# KiCad board Marble_Tiny.kicad_pcb (continued)
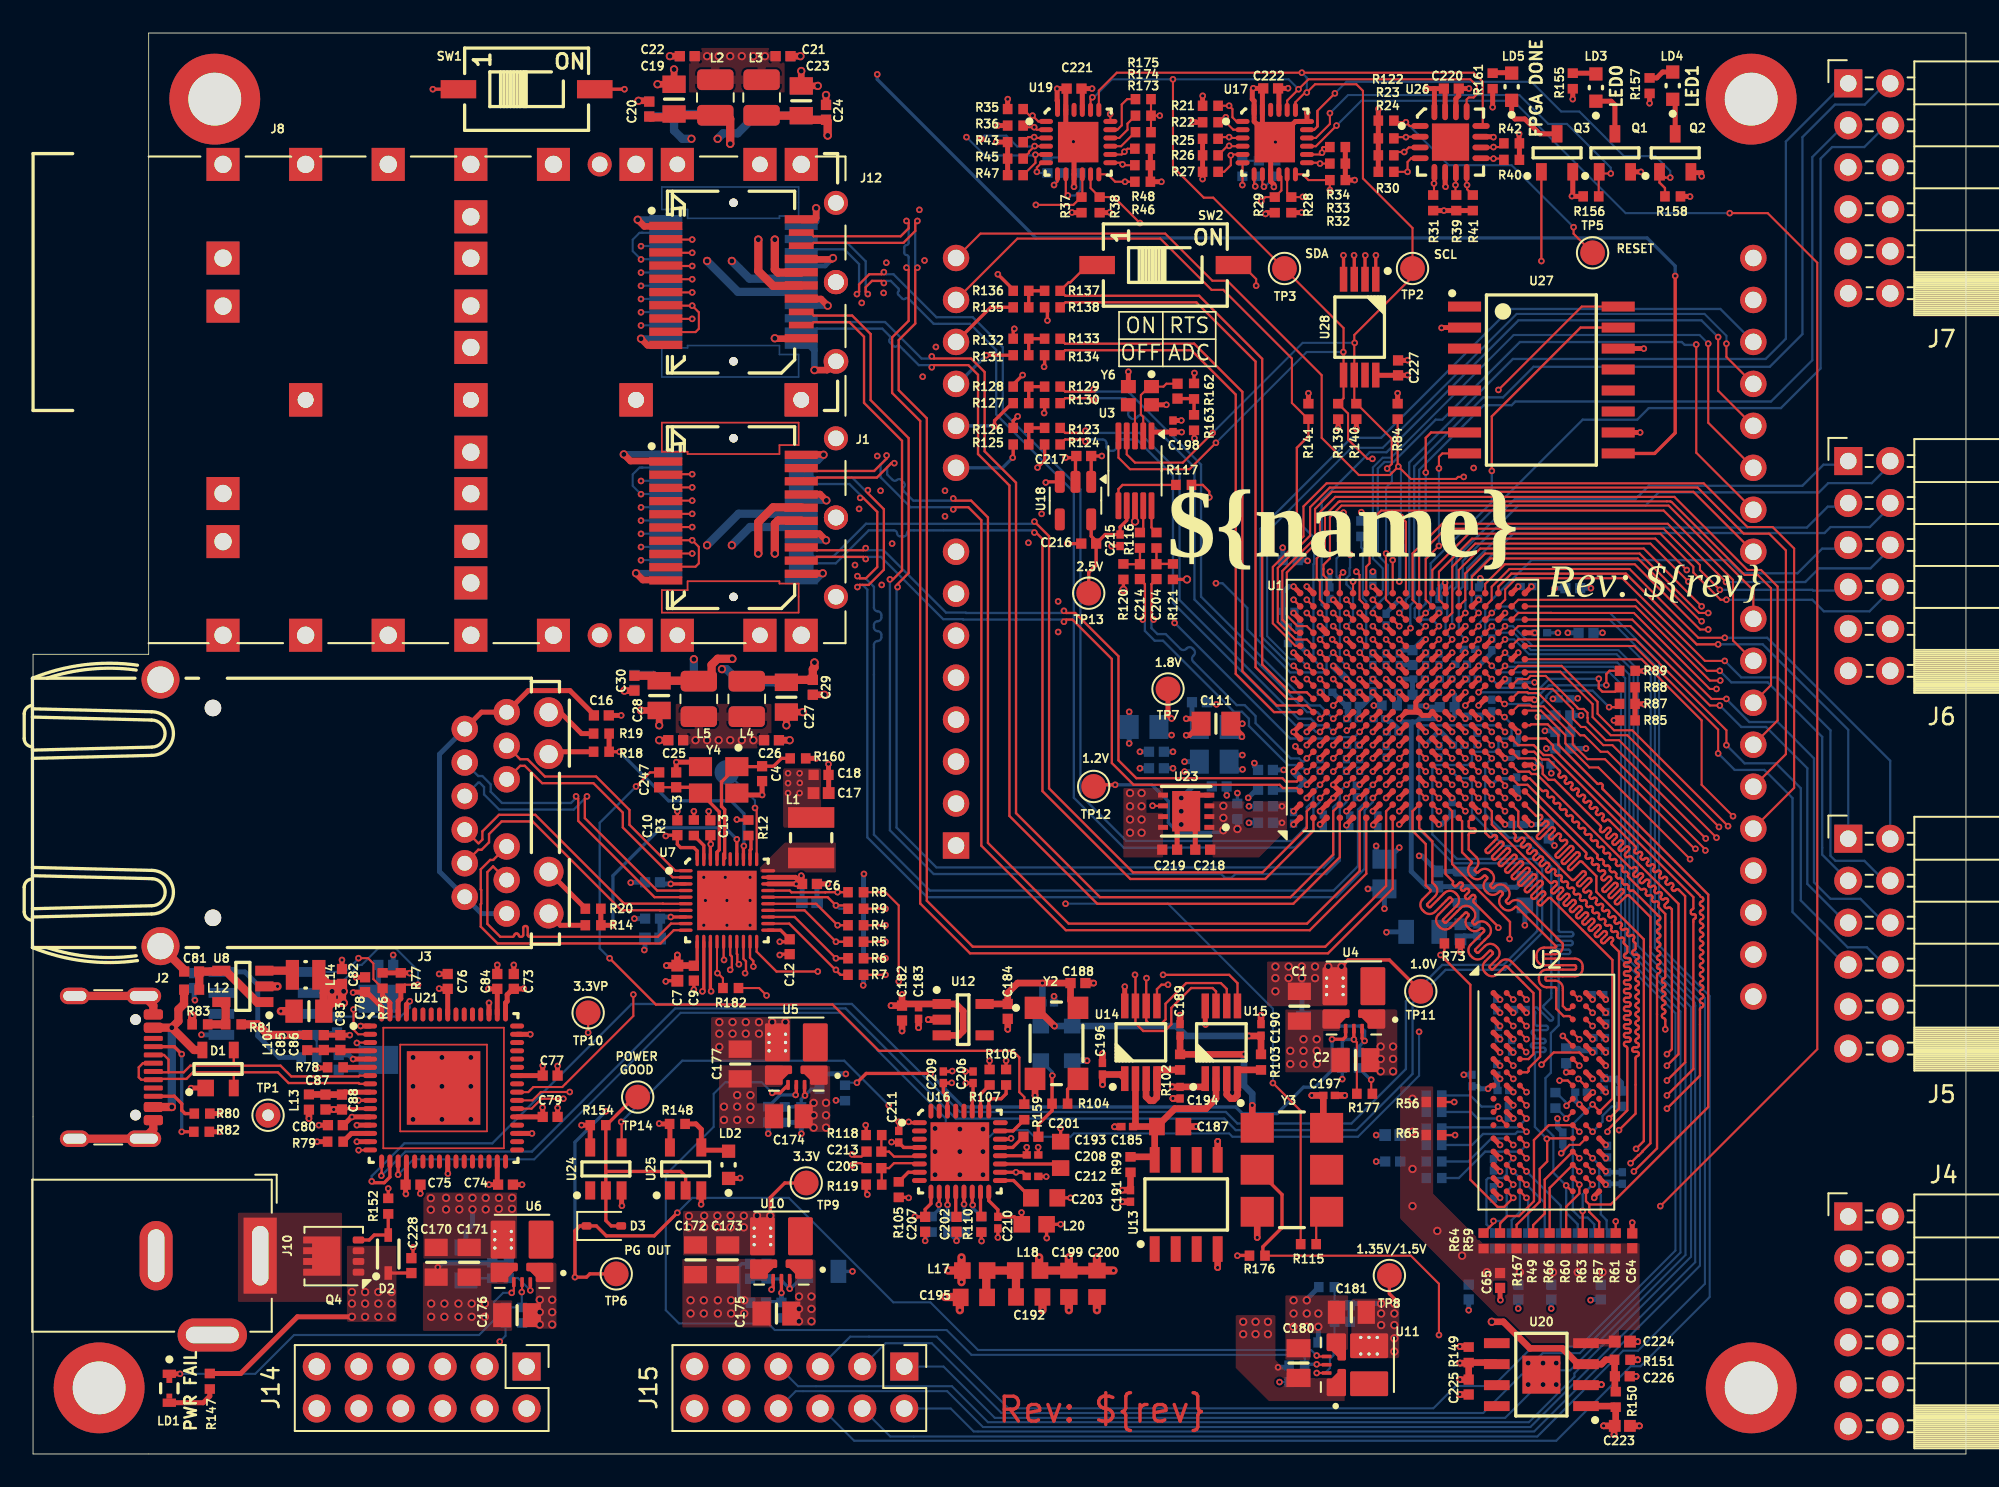
[diagram p0: board, top side]
## Routing (per net, layer and track width the routed paths; a pad name or vN(x,y) marks a point on that pad's centre or on a via; arc(x,y) is an arc through that point) (continued)
MGT_TX2_N: length 65.6
  Top w0.14: U1.D1 79.1,36.12 76.28,33.3 64.42,33.3 59.1,38.62 59.1,58.62 57.2,60.52 57.2,65.32 56.62,65.9 54.53,65.9 v1(54.4,65.77)
  Bottom w0.14: 46.5,67.91 47.25,67.91 47.45,68.11 51.41,68.11 51.86,67.66 arc(51.9,67.57) 51.86,67.47 arc(51.82,67.38) 51.86,67.28 52.09,67.05 arc(52.19,67.01) 52.28,67.05 arc(52.38,67.09) 52.47,67.05 53.62,65.9 54.27,65.9 v1(54.4,65.77)
MGT_TX2_P: length 65.6
  Top w0.14: v1(54.4,66.43) 54.53,66.3 56.78,66.3 57.6,65.48 57.6,60.68 59.5,58.78 59.5,38.78 64.58,33.7 76.12,33.7 78.7,36.28 78.7,38.9 U1.D2
  Bottom w0.14: v1(54.4,66.43) 54.27,66.3 53.78,66.3 51.57,68.51 47.45,68.51 47.25,68.71 46.5,68.71
MGT_TX3_N: length 52
  Top w0.14: v1(60.61,55.77) 60.71,55.77 61.1,55.38 61.1,40.12 66.42,34.8 74.58,34.8 77.5,37.72 U1.B1
  Bottom w0.14: v1(60.61,55.77) 60.48,55.9 53.08,55.9 arc(52.95,55.85) 52.9,55.72 arc(52.85,55.59) 52.72,55.54 52.48,55.54 arc(52.35,55.59) 52.3,55.72 arc(52.25,55.85) 52.12,55.9 50.58,55.9 48.59,53.9 47.25,53.9 47.05,53.7 46.5,53.7
MGT_TX3_P: length 52
  Top w0.14: U1.B2 77.1,38.9 77.1,37.88 74.42,35.2 66.58,35.2 61.5,40.28 61.5,55.54 v1(60.61,56.43)
  Bottom w0.14: 46.5,54.5 47.05,54.5 47.25,54.3 48.42,54.3 50.42,56.3 60.48,56.3 v1(60.61,56.43)
PHY_RSTn: length 50.4
  Top w0.2: v1(40.52,28) 40.6,28.08 U7.12
  Top w0.3: U1.A13 v1(76.3,48.5)
  In5.Cu w0.127: v1(40.52,28) 40.52,28.03 41.19,28.7 48.55,28.7 49.45,29.6 55.9,29.6 62.8,36.5 62.8,40.8 68.3,46.3 70.5,46.3 72.4,48.2 73.5,48.2 73.8,48.5 v1(76.3,48.5)
PMOD1_0: length 64.9
  Top w0.127: U1.M16 85.91,50.91 85.91,53.71 87.3,55.1 97.9,55.1 v1(100.2,52.8)
  In2.Cu w0.14: v1(100.2,52.8) 101.2,52.8 101.57,53.17 102.73,53.17 102.8,53.1 105,53.1 108.1,50 108.1,17.8 109.88,16.02 J4.1
PMOD1_1: length 65.4
  Top w0.127: U1.N17 86.69,51.69 86.69,53.29 87.9,54.5 97.25,54.5 100.84,50.91 100.86,50.91 100.86,50.9 v1(101.4,50.9)
  In2.Cu w0.14: v1(101.4,50.9) 102.8,50.9 103.44,51.54 105.16,51.54 107.4,49.3 107.4,12.8 108.36,11.83 J4.2
PMOD1_2: length 63.4
  Top w0.127: v1(101.4,49.9) 100.9,49.9 96.95,53.85 89.09,53.85 87.9,52.66 U1.R18
  In2.Cu w0.14: 109.88,9.29 108.67,9.29 106.6,11.37 106.6,48.7 106.2,49.1 103.3,49.1 102.5,49.9 v1(101.4,49.9)
PMOD1_3: length 60.3
  Top w0.127: v1(101.9,46.3) 101.5,46.3 96.9,50.9 91.9,50.9 91.89,50.91 89.91,50.91 U1.U16
  In2.Cu w0.14: J4.4 108.14,6.75 105.8,9.1 105.8,45.5 104.84,46.46 103.16,46.46 103,46.3 v1(101.9,46.3)
PMOD1_4: length 66.2
  Top w0.127: U1.M17 85.1,51.7 85.1,52.56 85.08,52.58 85.08,52.9 85.1,52.92 85.1,53.4 87.1,55.4 98.2,55.4 v1(100.1,53.5)
  In2.Cu w0.14: J4.7 108.5,18.29 108.5,50.3 105.3,53.5 v1(100.1,53.5)
PMOD1_5: length 67.3
  Top w0.127: U1.N18 86.3,53.5 87.6,54.8 97.5,54.8 v1(101,51.3)
  In2.Cu w0.14: v1(101,51.3) 102.7,51.3 103.3,51.9 105.4,51.9 107.7,49.6 107.7,13.9 108.5,13.1 111.15,13.1 J4.8
PMOD1_6: length 66.9
  Top w0.127: U1.P18 87.1,53.1 88.2,54.2 97.14,54.2 100.94,50.4 v1(101,50.4)
  In2.Cu w0.14: 112.41,9.29 111.11,10.6 108.5,10.6 107,12.1 107,48.8 106.3,49.5 103.4,49.5 102.5,50.4 v1(101,50.4)
PMOD1_7: length 61.4
  Top w0.127: U1.V17 97,51.3 101.49,46.81 v1(102.13,46.81)
  In2.Cu w0.14: v1(102.13,46.81) 105.19,46.81 106.2,45.8 106.2,10.2 108.3,8.1 111.07,8.1 J4.10
PMOD2_0: length 32.8
  Top w0.14: U1.T18 88.7,52.5 89.48,53.28 96.42,53.28 100.7,49 v1(102,49)
  Bottom w0.14: v1(102,49) 102,49 104.7,49 109.88,43.82 109.88,36.87
PMOD2_1: length 31.8
  Top w0.127: U1.U17 89.9,51.7 97.02,51.7 101.32,47.4 v1(102.1,47.4)
  Bottom w0.14: v1(102.1,47.4) 102.8,46.7 105,46.7 108.3,43.4 108.3,36.27 J5.2
PMOD2_2: length 32.4
  Top w0.127: v1(102.1,45.3) 101.5,45.3 96.69,50.11 89.91,50.11 U1.U15
  Bottom w0.14: 109.88,31.79 109.88,32.02 107.4,34.5 107.4,41.5 104.9,44 103.4,44 v1(102.1,45.3)
PMOD2_3: length 32.7
  Top w0.127: U1.V14 96.94,48.9 102,43.84 v1(102,42.4)
  Bottom w0.14: 109.88,29.25 109.52,29.61 109.52,29.78 106.5,32.8 106.5,39.7 104.8,41.4 103,41.4 v1(102,42.4)
PMOD2_4: length 35.8
  Top w0.127: v1(102.4,49.4) 100.8,49.4 96.64,53.56 89.37,53.56 88.29,52.48 88.29,51.69 U1.R17
  Bottom w0.14: v1(102.4,49.4) 104.97,49.4 112.41,41.95 112.41,36.87
PMOD2_5: length 37
  Top w0.127: U1.T17 89.11,51.71 89.11,52.33 89.78,53 96.2,53 101.2,48 v1(102.4,48)
  Bottom w0.14: v1(102.4,48) 103.4,47 105.6,47 108.8,43.8 108.8,36.2 109.1,35.9 110.85,35.9 112.41,34.33
PMOD2_6: length 34.3
  Top w0.127: v1(102.5,45.7) 101.6,45.7 96.8,50.5 U1.V16
  Bottom w0.14: 112.41,31.79 110.61,33.6 108.8,33.6 107.8,34.6 107.8,42.1 105.6,44.3 103.88,44.3 102.5,45.68 v1(102.5,45.7)
PMOD2_7: length 35.9
  Top w0.127: U1.U14 89.9,49.3 97,49.3 102.5,43.8 v1(102.5,42.9)
  Bottom w0.14: v1(102.5,42.9) 103.6,41.8 105.5,41.8 107,40.3 107,33.5 109.84,30.66 111.01,30.66 112.41,29.25
PMOD3_0: length 30.9
  Top w0.14: U1.M15 v1(85.9,50.1)
  Bottom w0.14: 109.88,59.87 108.38,59.87 107.1,58.6 97.8,58.6 97,57.8 89.7,57.8 86.17,54.27 86.17,52.49 85.9,52.22 v1(85.9,50.1)
PMOD3_1: length 27.9
  Top w0.14: U1.N16 v1(86.7,50.9)
  Bottom w0.14: v1(86.7,50.9) 86.7,52.26 86.8,52.37 86.8,53.6 89.27,56.07 107.37,56.07 108.64,57.33 109.88,57.33
PMOD3_2: length 26
  Top w0.14: U1.P15 v1(87.5,50.1)
  Bottom w0.14: 109.88,54.79 108.3,54.79 106.8,53.3 103.4,53.3 102.6,54.1 90.7,54.1 87.9,51.3 87.9,50.64 87.5,50.24 v1(87.5,50.1)
PMOD3_3: length 30.7
  Top w0.127: v1(102.1,52.3) 100.9,53.5 100.9,53.8 98.7,56 85.5,56 83.9,54.4 U1.K18
  Bottom w0.14: 109.88,52.25 107.75,52.25 107.7,52.3 v1(102.1,52.3)
PMOD3_4: length 33.9
  Top w0.14: U1.N14 v1(86.7,49.3)
  Bottom w0.14: v1(86.7,49.3) 86.3,49.7 86.3,52.24 86.54,52.48 86.54,54.04 89.9,57.4 97.6,57.4 98.4,58.2 108.1,58.2 108.66,58.76 111.3,58.76 112.41,59.87
PMOD3_5: length 30.1
  Top w0.14: U1.P16 v1(87.5,50.9)
  Bottom w0.14: v1(87.5,50.9) 87.07,51.33 87.07,53.17 89.64,55.74 108.44,55.74 108.8,56.1 111.18,56.1 112.41,57.33
PMOD3_6: length 35.3
  Top w0.127: v1(102.47,52.77) 98.95,56.3 85.3,56.3 83.5,54.5 83.5,51.7 U1.K17
  Bottom w0.14: v1(102.47,52.77) 107.27,52.77 108.1,53.6 111.22,53.6 112.41,54.79
PMOD3_7: length 32.7
  Top w0.127: v1(102.5,51.7) 102.15,51.7 100.5,53.35 100.5,53.7 98.5,55.7 86.9,55.7 84.7,53.5 U1.L18
  Bottom w0.14: 112.41,52.25 111.16,51 108.4,51 107.7,51.7 v1(102.5,51.7)
PMOD4_0: length 53.1
  Top w0.14: U1.J16 v1(82.7,50.9)
  Bottom w0.14: 109.88,83.21 106.1,79.44 106.1,67.5 104.87,66.27 89.57,66.27 83.3,60 83.3,51.9 83.1,51.7 83.1,51.3 v1(82.7,50.9)
PMOD4_1: length 52.4
  Top w0.14: U1.K15 v1(84.3,50.1)
  Bottom w0.14: v1(84.3,50.1) 84.16,50.1 83.63,50.63 83.63,51.18 83.91,51.45 83.91,59.56 87.82,63.47 89.5,63.47 89.72,63.7 105.2,63.7 107.7,66.2 107.7,78.49 109.88,80.67
PMOD4_2: length 47.7
  Top w0.14: U1.F15 v1(80.3,50.1)
  In5.Cu w0.14: 109.88,78.13 109.47,77.73 98.01,77.73 97.72,77.44 97.72,77.43 97.49,77.2 97.48,77.2 80.68,60.39 80.68,60.07 80.86,59.88 80.86,54.76 80.7,54.6 80.7,50.5 v1(80.3,50.1)
PMOD4_3: length 48.2
  Top w0.14: U1.J14 v1(82.7,49.3)
  In5.Cu w0.14: v1(82.7,49.3) 83.26,49.3 83.9,49.94 83.9,60.8 92.5,69.4 102.4,69.4 102.95,68.85 104.75,68.85 105.13,69.23 105.13,73.93 106.43,75.23 109.51,75.23 109.88,75.59
PMOD4_4: length 55.8
  Top w0.14: v1(83.38,49.98) 83.38,49.98 U1.J15
  Bottom w0.14: v1(83.38,49.98) 83.38,50.22 83.36,50.23 83.36,51.36 83.6,51.6 83.6,59.77 87.78,63.95 88.97,63.95 90.83,65.8 105.12,65.8 107.1,67.77 107.1,79.7 109.07,81.67 110.87,81.67 112.41,83.21
PMOD4_5: length 51
  Top w0.14: U1.M14 v1(85.9,49.3)
  Bottom w0.14: 112.41,80.67 110.84,79.1 108.9,79.1 108.2,78.4 108.2,65.7 105.8,63.3 97.8,63.3 97.1,62.6 93.8,62.6 85.9,54.7 85.9,52.6 85.6,52.3 85.6,50.7 85.5,50.6 85.5,49.7 v1(85.9,49.3)
PMOD4_6: length 49.3
  Top w0.14: U1.G15 v1(81.1,50.1)
  In5.Cu w0.14: v1(81.1,50.1) 81.5,50.5 81.5,60.5 97.65,76.65 110.94,76.65 112.41,78.13
PMOD4_7: length 47.5
  Top w0.14: U1.L14 v1(85.1,49.3)
  In5.Cu w0.14: v1(85.1,49.3) 85.5,49.7 85.5,52.1 86.1,52.7 86.1,60.9 94.2,69 102.1,69 102.6,68.5 105,68.5 105.5,69 105.5,72.6 107.1,74.2 111.03,74.2 112.41,75.59
PMOD5_0: length 112.5
  Top w0.127: v1(101.23,36.53) 101.23,36.58 95.31,42.5 94.89,42.5 93.89,43.49 93.65,43.49 91.09,46.05 90.5,46.05 90.46,46.1 89.9,46.1 U1.U10
  In2.Cu w0.127: J14.1 31.49,5.29 32.7,6.5 65.5,6.5 68.8,9.8 95.5,9.8 100.82,15.12 100.82,35.02 101.23,35.43 v1(101.23,36.53)
PMOD5_1: length 113.9
  Top w0.127: v1(100.63,36.63) 100.57,36.63 95.15,42.05 94.1,42.05 93.2,42.95 93.2,43.49 91.44,45.25 90.71,45.25 90.66,45.3 89.9,45.3 U1.U9
  In2.Cu w0.127: J14.2 28.95,6.9 65.28,6.9 68.47,10.1 95.25,10.1 100.5,15.35 100.5,35.4 100.7,35.6 100.7,36.55 v1(100.63,36.63)
PMOD5_2: length 114.2
  Top w0.127: v1(100.3,36) 94.75,41.55 94.21,41.55 92.75,43.01 92.75,43.51 91.27,44.99 90.39,44.99 U1.V9
  In2.Cu w0.127: J14.3 26.8,7.3 65,7.3 68.13,10.43 95.16,10.43 100.19,15.46 100.19,35.89 v1(100.3,36)
PMOD5_3: length 123.8
  Top w0.127: U1.V11 90.42,46.5 90.61,46.31 91.97,46.31 93.21,45.07 93.21,44.49 93.7,44 93.95,44 95.05,42.9 95.6,42.9 v1(101.25,37.25)
  In2.Cu w0.127: v1(101.25,37.25) 101.62,36.88 101.62,35.32 101.15,34.85 101.15,14.95 93.9,7.7 90.1,7.7 87.9,5.5 87.9,4.02 86.47,2.6 57.3,2.6 55.7,4.2 23.34,4.2 J14.4
PMOD5_4: length 118.7
  Top w0.127: U1.V12 90.34,47.34 92.44,47.34 94.4,45.39 94.4,44.6 95.5,43.5 96.5,43.5 v1(102.05,37.95)
  In2.Cu w0.127: v1(102.05,37.95) 102.29,37.71 102.29,34.49 101.76,33.96 101.76,14.51 93.95,6.7 90.4,6.7 88.79,5.09 88.79,3.54 86.65,1.4 31.23,1.4 J14.7
PMOD5_5: length 123.6
  Top w0.127: v1(102.6,38) 96.8,43.8 95.7,43.8 94.7,44.8 94.7,45.52 92.53,47.7 89.9,47.7 U1.U12
  In2.Cu w0.127: v1(102.6,38) 102.6,34 102.08,33.48 102.08,14.28 94,6.2 90.58,6.2 89.25,4.87 89.25,3.17 87.08,1 29.2,1 27.45,2.75 J14.8
PMOD5_6: length 128.8
  Top w0.127: U1.V13 97.37,48.1 97.92,47.55 97.92,47.48 101,44.4 101,40.5 v1(102.9,38.6)
  In2.Cu w0.127: v1(102.9,38.6) 102.99,38.51 102.99,33.79 102.4,33.2 102.4,14.1 93.25,4.95 90.05,4.95 89.67,4.57 89.67,2.75 87.53,0.6 26.95,0.6 J14.9
PMOD5_7: length 126.2
  Top w0.127: v1(101.9,37.3) 96,43.2 95.2,43.2 94.1,44.3 94.1,44.55 94.09,44.56 94.09,44.86 93.86,45.09 93.56,45.09 93.46,45.19 93.46,45.2 92.25,46.41 92.09,46.56 91.56,47.09 90.64,47.09 90.45,46.9 89.9,46.9 U1.U11
  In2.Cu w0.127: v1(101.9,37.3) 101.9,34.7 101.43,34.23 101.43,14.73 93.9,7.2 90.2,7.2 88.36,5.36 88.36,3.79 86.78,2.2 56.7,2.2 55.1,3.8 23.3,3.8 J14.10
PMOD6_0: length 98
  Top w0.14: U1.T13 v1(89.1,48.5)
  Bottom w0.127: v1(89.1,48.5) 89.7,47.9 95.9,47.9 96.63,47.17 96.63,30.37 100.02,26.98 100.02,12.04 93.04,5.06 91.63,5.06 90.96,4.38 90.96,4.03 89.11,2.19 58.21,2.19 55.11,5.29 52.81,5.29
PMOD6_1: length 100.4
  Top w0.14: U1.T12 v1(89.1,47.7)
  Bottom w0.127: J15.2 51.61,6.7 54.4,6.7 58.62,2.48 87.78,2.48 90.1,4.8 90.42,4.8 90.96,5.33 90.96,5.68 91.38,6.1 93.63,6.1 99.72,12.19 99.72,26.78 96.37,30.13 96.37,46.95 95.68,47.65 89.15,47.65 v1(89.1,47.7)
PMOD6_2: length 102.8
  Top w0.14: U1.R13 v1(88.3,47.7)
  Bottom w0.127: v1(88.3,47.7) 88.69,47.31 95.42,47.31 96.12,46.61 96.12,29.98 99.41,26.69 99.41,12.31 93.6,6.5 90.77,6.5 88.38,4.11 86.11,4.11 84.76,2.76 59.04,2.76 54.7,7.1 49.47,7.1 J15.3
PMOD6_3: length 106.9
  Top w0.14: U1.T14 v1(89.1,49.3)
  Bottom w0.127: v1(89.1,49.3) 89.65,49.3 90.55,48.4 95.86,48.4 96.88,47.38 96.88,30.52 100.36,27.04 100.36,11.94 93.3,4.88 93.3,4.68 90.55,1.92 57.8,1.92 55.62,4.1 46.3,4.1 J15.4
PMOD6_4: length 100.7
  Top w0.14: U1.T15 v1(89.1,50.1)
  Bottom w0.127: J15.7 55.55,2.75 56.94,1.36 90.86,1.36 100.9,11.4 100.9,27.4 97.92,30.38 97.92,47.23 97.92,47.55 96.56,48.91 90.76,48.91 89.57,50.1 v1(89.1,50.1)
PMOD6_5: length 107.4
  Top w0.14: U1.P14 v1(87.5,49.3)
  Bottom w0.127: v1(87.5,49.3) 87.9,49.7 87.9,50.25 88.15,50.5 95.42,50.5 98.17,47.76 98.17,45.64 98.17,30.63 101.2,27.6 101.2,10.3 97.15,6.25 96.25,6.25 91.05,1.05 51.89,1.05 J15.8
PMOD6_6: length 110.2
  Top w0.14: U1.R16 v1(88.3,50.9)
  Bottom w0.127: v1(88.3,50.9) 88.69,51.29 89.51,51.29 89.9,50.9 95.45,50.9 98.42,47.93 98.42,47.02 98.42,30.78 101.49,27.71 101.49,9.5 97.3,5.31 96.71,5.31 92.2,0.8 49.7,0.8 47.75,2.75 J15.9
PMOD6_7: length 108.8
  Top w0.14: U1.R15 v1(88.3,50.1)
  Bottom w0.127: v1(88.3,50.1) 88.69,49.71 89.61,49.71 90.66,48.65 95.96,48.65 97.13,47.48 97.13,30.77 100.6,27.3 100.6,27.16 100.61,27.15 100.61,11.61 90.63,1.63 57.5,1.63 55.33,3.8 46.16,3.8 J15.10
REF_CLK0_N: length 17.5
  Top w0.14: v1(67.17,50.5) 67.3,50.63 67.3,52.65 C214.1 ; U1.B5 v1(77.1,41.3)
  Bottom w0.14: v1(67.17,50.5) 67.3,50.37 67.3,49.82 67.89,49.22 68.39,49.22 72.69,44.92 73.17,44.92 73.6,44.5 73.6,44.06 75.96,41.7 76.5,41.7 76.7,41.5 76.9,41.5 v1(77.1,41.3)
REF_CLK0_P: length 17.5
  Top w0.14: C204.1 67.7,52.65 67.7,50.63 v1(67.83,50.5) ; U1.B6 v1(77.1,42.1)
  Bottom w0.14: v1(77.1,42.1) 76.9,41.9 76.83,41.9 76.63,42.1 76.13,42.1 74,44.23 74,44.66 73.34,45.32 72.86,45.32 70.22,47.96 arc(70.15,48.13) 70.22,48.3 70.26,48.34 arc(70.33,48.51) 70.26,48.68 70.18,48.76 arc(70.01,48.83) 69.84,48.76 69.8,48.72 arc(69.63,48.65) 69.46,48.72 68.56,49.62 68.06,49.62 67.7,49.98 67.7,50.37 v1(67.83,50.5)
REG_1V0: length 8
  Top w0.2: U7.38 41,36.9 ; 41,36.9 C13.2 ; 41,36.9 41.02,36.9 v1(41.02,36.9) ; U7.21 45.25,31.7 C12.2 45.75,31.15 45.6,31 v1(45.2,31) ; U7.8 v1(38.6,32.5) ; U7.3 v1(38.6,34.5)
  Bottom w0.3: v1(38.6,32.5) 38.05,32.5 C15.2 37.95,31.21 C11.2 ; v1(38.6,34.5) 38.05,34.5 C14.2
  vias: v1(45.7,41.2) v1(45.7,40.6) v1(45.7,40) v1(46.4,41.2) v1(46.41,40.61) v1(46.4,40)
RGMII_RX_CLK: length 45.6
  Top w0.127: v1(52.4,28.6) 52.4,33.2 51.6,34 R8.1
  Top w0.14: U1.E13 v1(79.5,48.5)
  In5.Cu w0.14: v1(79.5,48.5) 79.1,48.1 78.53,48.1 78.3,47.86 78.3,47.54 78.06,47.3 73,47.3 71.2,45.5 69.3,45.5 68.52,44.72 68.52,44.61 63.6,39.69 63.6,35.6 56.6,28.6 v1(52.4,28.6)
RGMII_RX_DV: length 45.6
  Top w0.14: R9.1 v1(51.6,33) ; U1.D16 v1(78.7,50.9)
  In5.Cu w0.14: v1(78.7,50.9) 78.3,51.3 73.1,51.3 72.4,50.6 71.4,50.6 69.1,48.3 66.41,48.3 60.51,42.4 60.51,37.81 55.7,33 54.01,33 arc(53.93,33.03) 53.9,33.11 53.9,33.87 arc(53.87,33.95) 53.8,33.98 53.74,33.98 arc(53.67,33.95) 53.63,33.87 53.63,32.43 arc(53.6,32.35) 53.53,32.32 53.47,32.32 arc(53.4,32.35) 53.37,32.43 53.37,33.87 arc(53.34,33.95) 53.26,33.98 53.21,33.98 arc(53.13,33.95) 53.1,33.87 53.1,32.43 arc(53.07,32.35) 52.99,32.32 52.94,32.32 arc(52.87,32.35) 52.83,32.43 52.83,32.89 arc(52.8,32.97) 52.73,33 v1(51.6,33)
RGMII_RXD0: length 45.6
  Top w0.14: R4.1 v1(51.6,32) ; U1.B16 v1(77.1,50.9)
  In5.Cu w0.14: v1(51.6,32) 54.11,32 arc(54.19,31.97) 54.22,31.89 54.22,31.42 arc(54.25,31.34) 54.33,31.31 54.38,31.31 arc(54.46,31.34) 54.49,31.42 54.49,32.58 arc(54.52,32.66) 54.6,32.69 54.65,32.69 arc(54.72,32.66) 54.76,32.58 54.76,31.42 arc(54.79,31.34) 54.86,31.31 54.92,31.31 arc(54.99,31.34) 55.02,31.42 55.02,31.89 arc(55.05,31.97) 55.13,32 55.5,32 55.72,32.22 arc(55.79,32.25) 55.85,32.22 arc(55.92,32.2) 55.98,32.22 56.05,32.29 arc(56.07,32.36) 56.05,32.42 55.89,32.58 arc(55.86,32.65) 55.89,32.73 55.93,32.76 arc(56.01,32.8) 56.08,32.76 56.24,32.61 arc(56.3,32.58) 56.37,32.61 56.43,32.67 arc(56.45,32.73) 56.43,32.8 56.27,32.95 arc(56.24,33.03) 56.27,33.1 56.31,33.14 arc(56.38,33.17) 56.46,33.14 56.61,32.99 arc(56.68,32.96) 56.74,32.99 56.8,33.04 arc(56.83,33.11) 56.8,33.17 56.65,33.33 arc(56.62,33.41) 56.65,33.48 56.68,33.52 arc(56.76,33.55) 56.84,33.52 56.99,33.36 arc(57.06,33.34) 57.12,33.36 57.18,33.42 arc(57.21,33.49) 57.18,33.55 57.02,33.71 arc(56.99,33.78) 57.02,33.86 57.06,33.9 arc(57.14,33.93) 57.21,33.9 57.37,33.74 arc(57.43,33.71) 57.5,33.74 57.56,33.8 arc(57.59,33.86) 57.56,33.93 57.4,34.09 arc(57.37,34.16) 57.4,34.24 57.44,34.27 arc(57.52,34.31) 57.59,34.27 57.75,34.12 arc(57.81,34.09) 57.88,34.12 57.94,34.18 arc(57.96,34.24) 57.94,34.31 57.78,34.46 arc(57.75,34.54) 57.78,34.61 57.82,34.65 arc(57.89,34.68) 57.97,34.65 57.98,34.64 arc(58.06,34.6) 58.14,34.64 61,37.5 61,42.1 66.8,47.9 69.5,47.9 71.7,50.1 72.47,50.1 72.87,50.5 76.7,50.5 v1(77.1,50.9)
RGMII_RXD1: length 45.6
  Top w0.14: R5.1 v1(51.6,31) ; U1.C16 v1(77.9,50.9)
  In5.Cu w0.14: v1(77.9,50.9) 77.07,50.07 73.07,50.07 72.6,49.6 71.8,49.6 69.8,47.6 67.1,47.6 61.4,41.9 61.4,37.2 57.65,33.45 arc(57.62,33.38) 57.65,33.3 57.67,33.28 arc(57.7,33.21) 57.67,33.13 57.63,33.09 arc(57.56,33.06) 57.48,33.09 57.46,33.11 arc(57.39,33.14) 57.31,33.11 57.27,33.07 arc(57.24,33) 57.27,32.92 57.29,32.9 arc(57.33,32.83) 57.29,32.75 57.26,32.71 arc(57.18,32.68) 57.11,32.71 57.09,32.73 arc(57.01,32.77) 56.93,32.73 56.9,32.7 arc(56.87,32.62) 56.9,32.55 56.92,32.53 arc(56.95,32.45) 56.92,32.37 56.88,32.34 arc(56.8,32.31) 56.73,32.34 56.71,32.36 arc(56.63,32.39) 56.56,32.36 56.52,32.32 arc(56.49,32.24) 56.52,32.17 56.54,32.15 arc(56.57,32.07) 56.54,32 56.5,31.96 arc(56.43,31.93) 56.35,31.96 56.33,31.98 arc(56.25,32.01) 56.18,31.98 56.14,31.94 arc(56.11,31.87) 56.14,31.79 56.16,31.77 arc(56.19,31.69) 56.16,31.62 56.12,31.58 arc(56.05,31.55) 55.97,31.58 55.81,31.74 arc(55.74,31.77) 55.68,31.74 55.62,31.69 arc(55.59,31.62) 55.62,31.56 55.78,31.39 arc(55.82,31.32) 55.78,31.24 55.75,31.2 arc(55.67,31.17) 55.6,31.2 55.58,31.22 arc(55.5,31.26) 55.42,31.22 55.2,31 54.97,31 arc(54.9,30.97) 54.88,30.91 arc(54.85,30.84) 54.78,30.81 54.7,30.81 arc(54.64,30.84) 54.61,30.91 arc(54.58,30.97) 54.52,31 54.44,31 arc(54.38,30.97) 54.35,30.91 arc(54.32,30.84) 54.25,30.81 54.18,30.81 arc(54.11,30.84) 54.08,30.91 54.08,31.1 arc(54.05,31.16) 53.99,31.19 53.91,31.19 arc(53.84,31.16) 53.82,31.1 53.82,30.9 arc(53.79,30.84) 53.72,30.81 53.64,30.81 arc(53.58,30.84) 53.55,30.9 53.55,31.59 arc(53.52,31.66) 53.44,31.69 53.39,31.69 arc(53.31,31.66) 53.28,31.59 53.28,30.9 arc(53.25,30.84) 53.19,30.81 53.11,30.81 arc(53.04,30.84) 53.01,30.9 53.01,31.59 arc(52.98,31.66) 52.91,31.69 52.85,31.69 arc(52.78,31.66) 52.75,31.59 52.75,30.91 arc(52.72,30.84) 52.65,30.81 52.57,30.81 arc(52.5,30.84) 52.47,30.91 arc(52.45,30.97) 52.38,31 v1(51.6,31)
RGMII_RXD2: length 45.6
  Top w0.14: R6.1 v1(51.6,30) ; U1.D14 78.89,49.11 78.83,49.11 v1(78.64,49.3)
  In5.Cu w0.14: v1(51.6,30) 51.96,30 arc(52.03,30.03) 52.06,30.1 arc(52.08,30.16) 52.15,30.19 52.23,30.19 arc(52.29,30.16) 52.32,30.1 arc(52.35,30.03) 52.42,30 52.49,30 arc(52.56,30.03) 52.59,30.1 arc(52.62,30.16) 52.69,30.19 52.76,30.19 arc(52.83,30.16) 52.86,30.1 arc(52.88,30.03) 52.95,30 53.03,30 arc(53.1,30.03) 53.12,30.1 arc(53.15,30.16) 53.22,30.19 53.29,30.19 arc(53.36,30.16) 53.39,30.1 arc(53.42,30.03) 53.49,30 53.56,30 arc(53.63,30.03) 53.66,30.1 arc(53.69,30.16) 53.75,30.19 53.83,30.19 arc(53.9,30.16) 53.92,30.1 arc(53.95,30.03) 54.02,30 54.09,30 arc(54.16,30.03) 54.19,30.1 arc(54.22,30.16) 54.29,30.19 54.36,30.19 arc(54.43,30.16) 54.46,30.1 arc(54.49,30.03) 54.55,30 54.63,30 arc(54.7,30.03) 54.73,30.1 arc(54.75,30.16) 54.82,30.19 54.9,30.19 arc(54.96,30.16) 54.99,30.1 arc(55.02,30.03) 55.09,30 55.16,30 arc(55.23,30.03) 55.26,30.1 arc(55.29,30.16) 55.36,30.19 55.43,30.19 arc(55.5,30.16) 55.53,30.1 arc(55.55,30.03) 55.62,30 55.7,30 56.15,30.45 arc(56.18,30.52) 56.15,30.59 arc(56.12,30.65) 56.15,30.72 56.2,30.78 arc(56.27,30.8) 56.34,30.78 56.46,30.66 arc(56.51,30.64) 56.56,30.66 56.65,30.74 arc(56.67,30.79) 56.65,30.85 56.53,30.97 arc(56.5,31.03) 56.53,31.1 56.58,31.15 arc(56.65,31.18) 56.72,31.15 56.84,31.03 arc(56.89,31.01) 56.94,31.03 57.03,31.12 arc(57.05,31.17) 57.03,31.22 56.91,31.34 arc(56.88,31.41) 56.91,31.48 56.96,31.53 arc(57.03,31.56) 57.09,31.53 57.21,31.41 arc(57.27,31.39) 57.32,31.41 57.4,31.5 arc(57.42,31.55) 57.4,31.6 57.28,31.72 arc(57.25,31.79) 57.28,31.86 57.33,31.91 arc(57.4,31.94) 57.47,31.91 57.59,31.79 arc(57.64,31.77) 57.69,31.79 57.78,31.88 arc(57.8,31.93) 57.78,31.98 57.66,32.1 arc(57.63,32.17) 57.66,32.24 57.71,32.29 arc(57.78,32.32) 57.85,32.29 57.97,32.17 arc(58.02,32.15) 58.07,32.17 58.16,32.25 arc(58.18,32.3) 58.16,32.36 58.04,32.48 arc(58.01,32.54) 58.04,32.61 58.09,32.66 arc(58.16,32.69) 58.23,32.66 58.35,32.54 arc(58.4,32.52) 58.45,32.54 58.54,32.63 arc(58.56,32.68) 58.54,32.73 58.42,32.85 arc(58.39,32.92) 58.42,32.99 58.47,33.04 arc(58.54,33.07) 58.6,33.04 58.72,32.92 arc(58.78,32.9) 58.83,32.92 58.91,33.01 arc(58.93,33.06) 58.91,33.11 58.79,33.23 arc(58.76,33.3) 58.79,33.37 58.84,33.42 arc(58.91,33.45) 58.98,33.42 59.1,33.3 arc(59.15,33.28) 59.2,33.3 59.29,33.39 arc(59.31,33.44) 59.29,33.49 arc(59.27,33.54) 59.29,33.59 62.3,36.6 62.3,41.5 67.6,46.8 70.3,46.8 72.1,48.6 73.3,48.6 73.6,48.9 78.24,48.9 v1(78.64,49.3)
RGMII_RXD3: length 45.6
  Top w0.14: R7.1 v1(51.6,29) ; U1.C13 v1(77.9,48.5)
  In5.Cu w0.14: v1(77.9,48.5) 77.5,48.1 74.1,48.1 73.7,47.7 72.6,47.7 70.8,45.9 68.6,45.9 63.2,40.5 63.2,36.1 57.8,30.7 57.76,30.66 arc(57.73,30.59) 57.76,30.51 57.85,30.42 arc(57.89,30.34) 57.85,30.27 57.82,30.23 arc(57.74,30.2) 57.67,30.23 57.36,30.53 arc(57.29,30.56) 57.21,30.53 57.17,30.49 arc(57.14,30.42) 57.17,30.34 57.48,30.04 arc(57.51,29.96) 57.48,29.89 57.44,29.85 arc(57.36,29.82) 57.29,29.85 56.99,30.15 arc(56.91,30.18) 56.84,30.15 56.8,30.12 arc(56.77,30.04) 56.8,29.96 57.1,29.66 arc(57.13,29.59) 57.1,29.51 57.06,29.47 arc(56.99,29.44) 56.91,29.47 56.61,29.78 arc(56.53,29.81) 56.46,29.78 56.42,29.74 arc(56.39,29.66) 56.42,29.59 56.72,29.28 arc(56.75,29.21) 56.72,29.13 56.68,29.1 arc(56.61,29.06) 56.53,29.1 56.23,29.4 arc(56.16,29.43) 56.08,29.4 56.04,29.36 arc(56.01,29.28) 56.04,29.21 56.1,29.15 arc(56.13,29.08) 56.1,29 55.61,29 arc(55.53,29.03) 55.5,29.11 55.5,29.19 arc(55.47,29.26) 55.39,29.3 55.34,29.3 arc(55.26,29.26) 55.23,29.19 55.23,29.11 arc(55.2,29.03) 55.12,29 55.07,29 arc(55,29.03) 54.96,29.11 54.96,29.19 arc(54.93,29.26) 54.86,29.3 54.8,29.3 arc(54.73,29.26) 54.7,29.19 54.7,29.11 arc(54.67,29.03) 54.59,29 54.54,29 arc(54.46,29.03) 54.43,29.11 54.43,29.19 arc(54.4,29.26) 54.32,29.3 54.27,29.3 arc(54.19,29.26) 54.16,29.19 54.16,29.11 arc(54.13,29.03) 54.06,29 54,29 arc(53.93,29.03) 53.9,29.11 53.9,29.19 arc(53.87,29.26) 53.79,29.3 53.74,29.3 arc(53.66,29.26) 53.63,29.19 53.63,29.11 arc(53.6,29.03) 53.52,29 53.47,29 arc(53.39,29.03) 53.36,29.11 53.36,29.19 arc(53.33,29.26) 53.26,29.3 53.2,29.3 arc(53.13,29.26) 53.1,29.19 53.1,29.11 arc(53.06,29.03) 52.99,29 52.94,29 arc(52.86,29.03) 52.83,29.11 52.83,29.19 arc(52.8,29.26) 52.72,29.3 52.67,29.3 arc(52.59,29.26) 52.56,29.19 52.56,29.11 arc(52.53,29.03) 52.45,29 v1(51.6,29)
RGMII_TX_CLK: length 53.3
  Top w0.14: v1(47.5,29.2) 45,29.2 43.8,30.4 U7.20 ; U1.D15 v1(78.7,50.1)
  In5.Cu w0.14: v1(78.7,50.1) 78.3,49.7 76.5,49.7 76.5,49.7 73.5,49.7 72.9,49.1 71.9,49.1 70,47.2 67.4,47.2 61.9,41.7 61.9,36.9 55.5,30.5 51.02,30.5 arc(50.94,30.53) 50.91,30.61 50.91,31.27 arc(50.88,31.35) 50.8,31.38 50.75,31.38 arc(50.68,31.35) 50.64,31.27 50.64,30.13 arc(50.61,30.05) 50.54,30.02 50.48,30.02 arc(50.41,30.05) 50.38,30.13 50.38,31.27 arc(50.35,31.35) 50.27,31.38 50.22,31.38 arc(50.14,31.35) 50.11,31.27 50.11,30.13 arc(50.08,30.05) 50,30.02 49.95,30.02 arc(49.87,30.05) 49.84,30.13 49.84,30.39 arc(49.81,30.47) 49.74,30.5 48.3,30.5 47.5,29.7 v1(47.5,29.2)
RGMII_TX_EN: length 53.3
  Top w0.14: U7.19 43.4,30.03 43.6,29.83 v1(43.6,29.5) ; U1.A17 v1(76.3,51.7)
  In5.Cu w0.14: v1(43.6,29.5) 44.7,30.6 46.1,30.6 47,31.5 48.76,31.5 48.91,31.65 arc(48.99,31.68) 49.07,31.65 49.56,31.15 arc(49.64,31.12) 49.72,31.15 49.75,31.19 arc(49.78,31.27) 49.75,31.34 49.25,31.84 arc(49.22,31.92) 49.25,31.99 49.29,32.03 arc(49.37,32.06) 49.44,32.03 49.84,31.64 arc(49.91,31.61) 49.99,31.64 50.02,31.67 arc(50.06,31.75) 50.02,31.83 49.48,32.37 arc(49.45,32.45) 49.48,32.52 49.51,32.56 arc(49.59,32.59) 49.67,32.56 50.36,31.87 arc(50.43,31.84) 50.51,31.87 50.54,31.91 arc(50.58,31.99) 50.54,32.06 49.85,32.75 arc(49.82,32.83) 49.85,32.9 49.89,32.94 arc(49.97,32.97) 50.04,32.94 50.05,32.94 arc(50.12,32.9) 50.2,32.94 50.5,33.24 50.5,33.25 arc(50.58,33.28) 50.65,33.25 50.94,32.96 arc(51.01,32.93) 51.09,32.96 51.13,33 arc(51.16,33.08) 51.13,33.15 50.84,33.44 arc(50.81,33.51) 50.84,33.59 51.85,34.6 56.7,34.6 60.1,38 60.1,42.5 66.28,48.68 68.88,48.68 71.2,51 72.3,51 73,51.7 v1(76.3,51.7)
RGMII_TXD0: length 53.3
  Top w0.14: U7.18 43,29.97 43.16,29.82 43.16,29.15 v1(43.1,29.1) ; U1.B17 v1(77.1,51.7)
  In5.Cu w0.14: v1(43.1,29.1) 43.12,29.12 43.12,29.62 46,32.5 46.32,32.5 arc(46.39,32.53) 46.42,32.61 46.42,33.15 arc(46.46,33.22) 46.53,33.25 46.58,33.25 arc(46.66,33.22) 46.69,33.15 46.69,31.9 arc(46.72,31.83) 46.8,31.8 46.85,31.8 arc(46.93,31.83) 46.96,31.9 46.96,33.15 arc(46.99,33.22) 47.06,33.25 47.12,33.25 arc(47.19,33.22) 47.22,33.15 47.22,32.61 arc(47.26,32.53) 47.33,32.5 49,32.5 51.5,35 56.6,35 59.7,38.1 59.7,42.7 66.1,49.1 68.5,49.1 70.9,51.5 72.2,51.5 72.8,52.1 76.7,52.1 v1(77.1,51.7)
RGMII_TXD1: length 53.3
  Top w0.14: v1(42.73,29.64) 42.63,29.74 42.63,30.24 42.6,30.26 U7.17 ; U1.E16 v1(79.5,50.9)
  In5.Cu w0.14: v1(79.5,50.9) 79.1,51.3 79.1,51.86 78.23,52.74 78.22,52.74 78.06,52.9 73,52.9 72.1,52 70,52 67.6,49.6 66,49.6 59.3,42.9 59.3,38.3 56.4,35.4 51.15,35.4 49.79,34.04 arc(49.71,34.01) 49.64,34.04 49.41,34.26 arc(49.33,34.29) 49.26,34.26 49.22,34.22 arc(49.19,34.15) 49.22,34.07 49.45,33.85 arc(49.48,33.77) 49.45,33.7 49.35,33.6 46.4,33.6 42.73,29.93 v1(42.73,29.64)
